# Allegro board Coral-Dev-Board-baseboard-layout-Allegro.brd
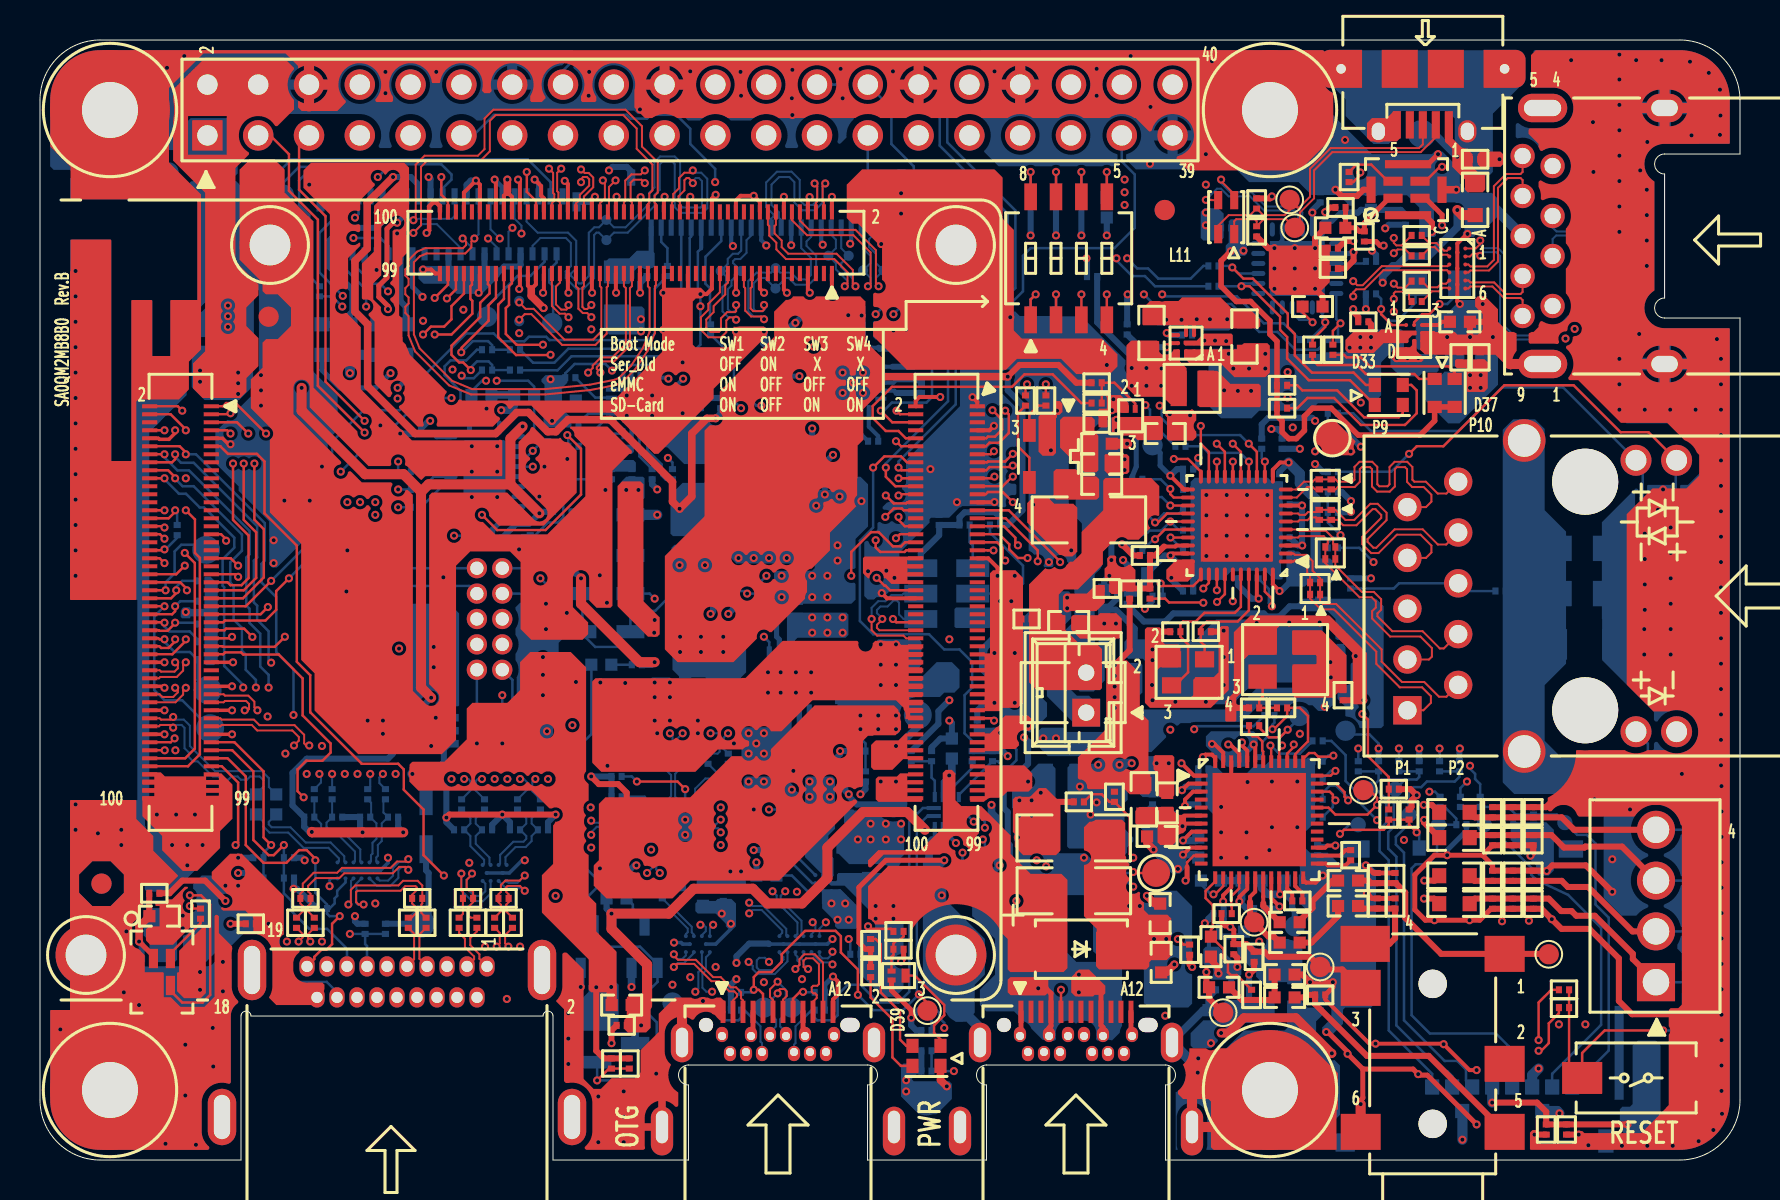
[diagram p0: board, top side]
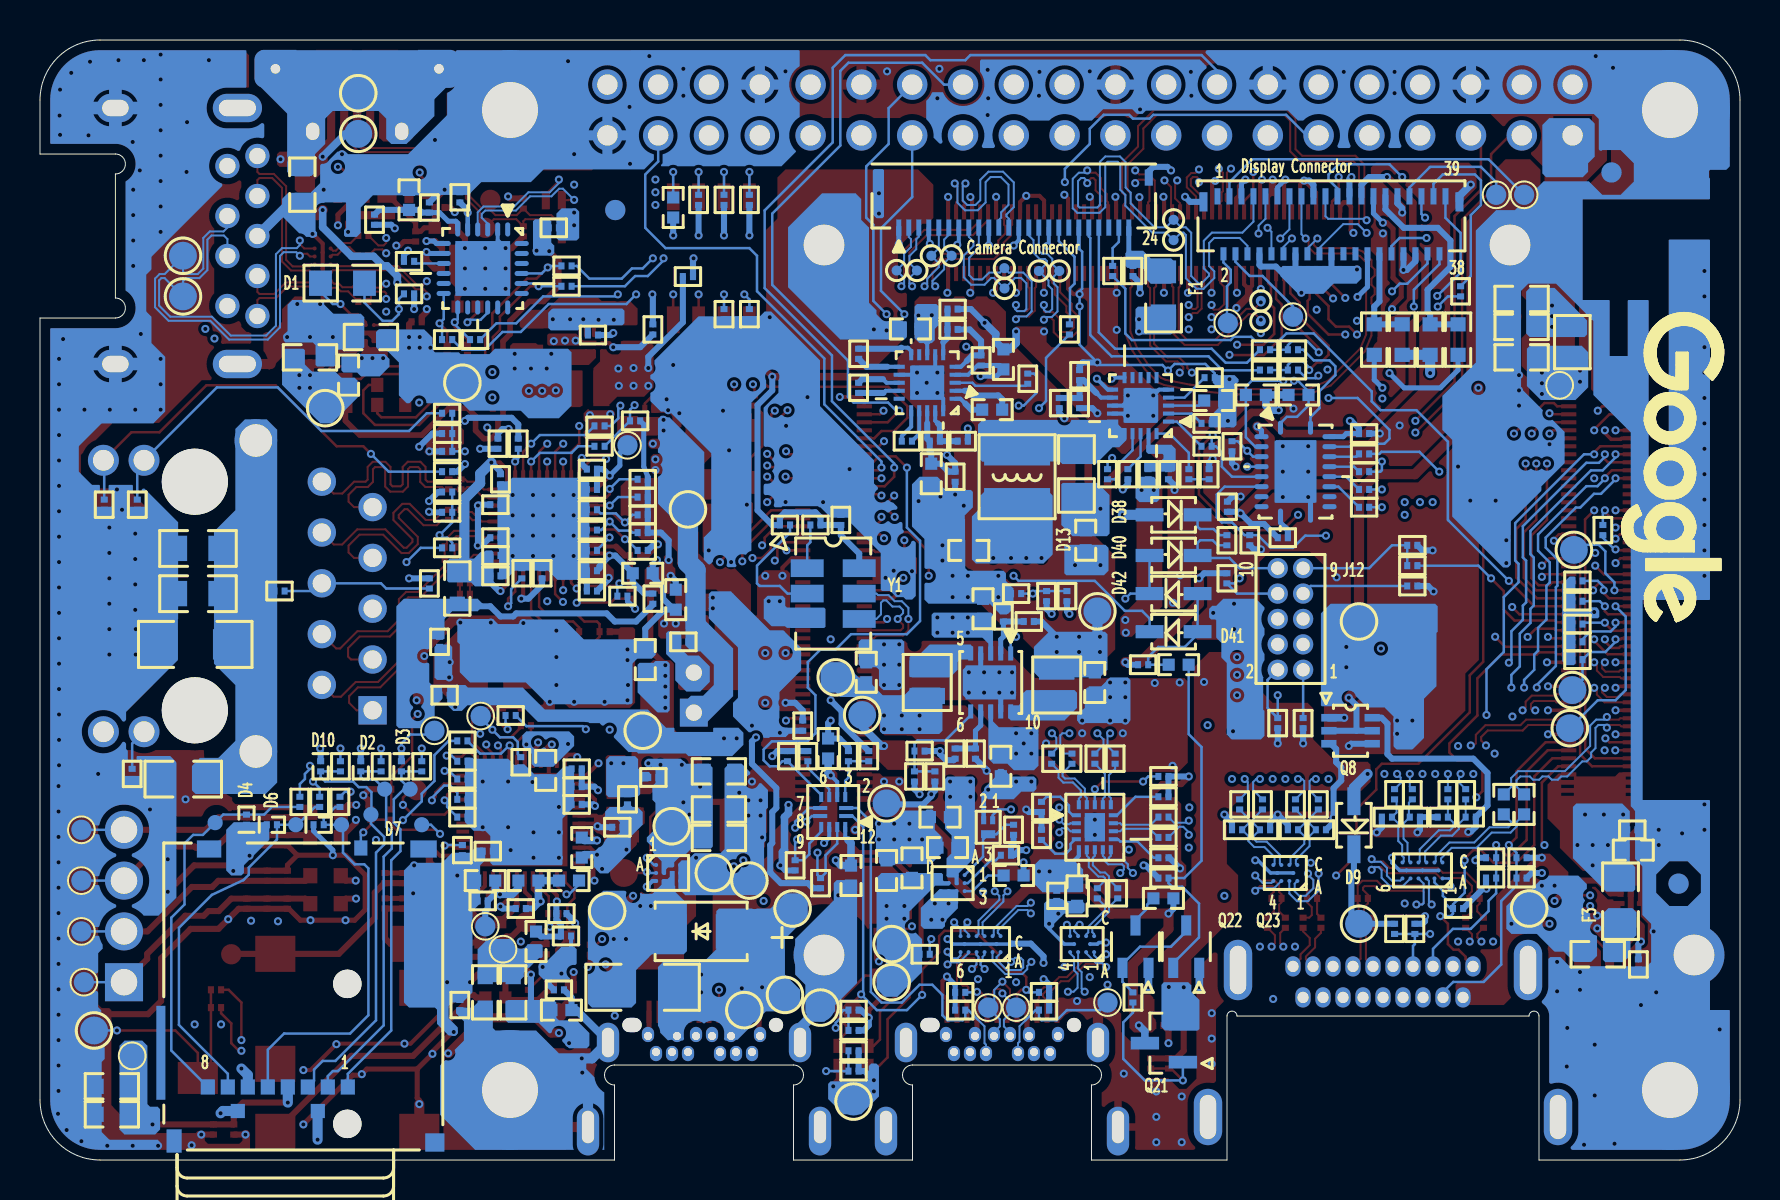
[diagram p1: board, bottom side, seen from below]

Outline 85 x 56 mm; copper layers: TOP, L02_GND1, L03_SIG1, L04_GND2, L05_PWR1, L06_SIG2, L07_GND3, BOTTOM. Coordinates in mm from the lower left corner of the outline.
Outline path: 0,53 arc(0.88,55.12) 3,56 82,56 arc(84.12,55.12) 85,53 85,50.3 81.23,50.3 arc(80.73,49.8) 81.23,49.3 81.23,43.1 arc(80.73,42.6) 81.23,42.1 85,42.1 85,3 arc(84.12,0.88) 82,0 56.27,0 56.27,3.75 arc(56.78,4.25) 56.27,4.75 47.33,4.75 arc(46.83,4.25) 47.33,3.75 47.33,0 41.38,0 41.38,3.75 arc(41.88,4.25) 41.38,4.75 32.43,4.75 arc(31.93,4.25) 32.43,3.75 32.43,0 25.65,0 25.65,7.2 arc(25.4,7.45) 25.15,7.2 10.55,7.2 arc(10.3,7.45) 10.05,7.2 10.05,0 3,0 arc(0.88,0.88) 0,3 0,53

## Design rules (mm)
net group DIFFPAIR0: nets HDMI_CLK_N HDMI_CLK_P
net group DIFFPAIR2: nets MIPI_CSI1_D0_N MIPI_CSI1_D0_P
net group DIFFPAIR3: nets MIPI_CSI1_D2_N MIPI_CSI1_D2_P
net group DIFFPAIR4: nets MIPI_DSI_D3_N MIPI_DSI_D3_P
net group DIFFPAIR5: nets MIPI_DSI_D2_N MIPI_DSI_D2_P
net group DIFFPAIR6: nets MIPI_CSI1_CLK_N MIPI_CSI1_CLK_P
net group ETH_TRX0_: nets ETH_TRX0_N ETH_TRX0_P
net group ETH_TRX1_: nets ETH_TRX1_N ETH_TRX1_P
net group ETH_TRX2_: nets ETH_TRX2_N ETH_TRX2_P
net group ETH_TRX3_: nets ETH_TRX3_N ETH_TRX3_P
net group HDMI_AUX_: nets HDMI_AUX_N HDMI_AUX_P
net group HDMI_AUX_C_: nets HDMI_AUX_C_N HDMI_AUX_C_P
net group HDMI_CLK_C_: nets HDMI_CLK_C_N HDMI_CLK_C_P
net group HDMI_CLK_CN_: nets HDMI_CLK_CN_N HDMI_CLK_CN_P
net group HDMI_REFCLK_: nets HDMI_REFCLK_N HDMI_REFCLK_P
net group HDMI_TX0_: nets HDMI_TX0_N HDMI_TX0_P
net group HDMI_TX0_C_: nets HDMI_TX0_C_N HDMI_TX0_C_P
net group HDMI_TX0_CN_: nets HDMI_TX0_CN_N HDMI_TX0_CN_P
net group HDMI_TX1_: nets HDMI_TX1_N HDMI_TX1_P
net group HDMI_TX1_C_: nets HDMI_TX1_C_N HDMI_TX1_C_P
net group HDMI_TX1_CN_: nets HDMI_TX1_CN_N HDMI_TX1_CN_P
net group HDMI_TX2_: nets HDMI_TX2_N HDMI_TX2_P
net group HDMI_TX2_C_: nets HDMI_TX2_C_N HDMI_TX2_C_P
net group HDMI_TX2_CN_: nets HDMI_TX2_CN_N HDMI_TX2_CN_P
net group MIPI_CSI1_D1_: nets MIPI_CSI1_D1_N MIPI_CSI1_D1_P
net group MIPI_CSI1_D3_: nets MIPI_CSI1_D3_N MIPI_CSI1_D3_P
net group MIPI_DSI_CLK: nets MIPI_DSI_CLK_N MIPI_DSI_CLK_P
net group MIPI_DSI_D0_: nets MIPI_DSI_D0_N MIPI_DSI_D0_P
net group MIPI_DSI_D1_: nets MIPI_DSI_D1_N MIPI_DSI_D1_P
net group SAI1_B2B: nets SAI1_TXC SAI1_TXFS
net group SD_CD_DAT3: nets SD_CD_DAT3 SD_CD_DAT3_R
net group SD_CLK: nets SD_CLK SD_CLK_R
net group SD_CMD: nets SD_CMD SD_CMD_R
net group SD_DAT0: nets SD_DAT0 SD_DAT0_R
net group SD_DAT1: nets SD_DAT1 SD_DAT1_R
net group SD_DAT2: nets SD_DAT2 SD_DAT2_R
net group SSRX1_: nets SSRX1_N SSRX1_P
net group SSRX1_CM_: nets SSRX1_CM_N SSRX1_CM_P
net group SSRX2_: nets SSRX2_N SSRX2_P
net group SSRX2_CM_: nets SSRX2_CM_N SSRX2_CM_P
net group SSTX1_: nets SSTX1_N SSTX1_P
net group SSTX1_CM_: nets SSTX1_CM_N SSTX1_CM_P
net group SSTX1_CM_C_: nets SSTX1_CM_C_N SSTX1_CM_C_P
net group SSTX2_: nets SSTX2_N SSTX2_P
net group SSTX2_CM_: nets SSTX2_CM_N SSTX2_CM_P
net group SSTX2_CM_C_: nets SSTX2_CM_C_N SSTX2_CM_C_P
net group UART3: nets UART3_RXD UART3_TXD
net group USB1_D_: nets USB1_D_N USB1_D_P
net group USB1_RX_: nets USB1_RX_N USB1_RX_P
net group USB1_RX_DR_: nets USB1_RX_DR_N USB1_RX_DR_P
net group USB1_TX_: nets USB1_TX_N USB1_TX_P
net group USB1_TX_DR_: nets USB1_TX_DR_N USB1_TX_DR_P
net group USB2_D_: nets USB2_D_N USB2_D_P
net group USB2_RX_: nets USB2_RX_N USB2_RX_P
net group USB2_TX_: nets USB2_TX_N USB2_TX_P
net group USB_D_: nets USB_D_N USB_D_P
net group USB_HOST_RX_: nets USB_HOST_RX_N USB_HOST_RX_P
net group 20: nets ENET_AVDD33 NETC111_1 NVCC_ENET_2V5
net group GMII_RX: nets ENET_RD0 ENET_RD1 ENET_RD2 ENET_RD3 ENET_RX_CTL ENET_RXC
net group GMII_TX: nets ENET_TD0 ENET_TD1 ENET_TD2 ENET_TD3 ENET_TX_CTL ENET_TXC
net group HDMI: nets NETJ5_1 NETJ5_3 NETJ5_4 NETJ5_6 NETJ5_7 NETJ5_9 NETJ5_10 NETJ5_12
net group I2C: nets I2C2_SCL I2C2_SDA I2C3_SCL I2C3_SDA
net group JTAG_B2B: nets JTAG_NTRST JTAG_TCK JTAG_TDI JTAG_TDO JTAG_TMS
net group SPI: nets ECSPI2_SS1
net group USB2_3.0: nets USB_HOST_D_CM_N USB_HOST_D_CM_P USB_HOST_D_N USB_HOST_D_P USB_HOST_TX_CM_N USB_HOST_TX_CM_P USB_HOST_TX_N USB_HOST_TX_P
net group USB3_2.0: nets USB_DBG_D_CN_N USB_DBG_D_CN_P USB_DBG_D_N USB_DBG_D_P
nets with their own width: min track width 2.032; nets USB_VBUS_1
nets with their own width: min track width 3.048; nets BB_1V8 BOOST_5V DCDC_3V3 DCDC_5V DCDC_5V_FT USB_VBUS_2 USB_VIN VDD_3V3 VDDA_1V8 VSYS

## Placement (name value [footprint] x y rotation side)
B2  DTSM32N  [SW2-6_0X3_5-H5_2]  79.81 4.1 180 top
C1  22pF/6.3V  [0201]  63.88 17.14 0 bottom
C2  22pF/6.3V  [0201]  63.88 19.94 0 bottom
C3  22pF/6.3V  [0201]  63.88 18.03 180 bottom
C4  22pF/6.3V  [0201]  63.88 19.05 180 bottom
C5  0.1uF/10V  [0201]  5.08 9.78 270 bottom
C6  2.2uF/6.3V  [0201]  60.96 12.57 180 bottom
C7  0.1uF/10V  [0201]  32.13 13.34 270 bottom
C8  0.1uF/10V  [0201]  31.12 13.34 270 bottom
C9  2.2uF/6.3V  [0201]  63.88 15.49 270 bottom
C10  0.1uF/10V  [0201]  66.22 46.18 270 top
C11  0.1uF/10V  [0201]  58.17 18.67 0 bottom
C12  4.7uF/10V  [0402]  57.91 15.62 270 bottom
C13  0.1uF/10V  [0201]  33.4 20.07 270 bottom
C14  2.2uF/6.3V  [0201]  62.87 12.95 180 top
C15  2.2uF/6.3V  [0201]  65.53 15.24 270 top
C16  0.1uF/25V  [0402]  44.45 14.22 270 bottom
C17  0.1uF/25V  [0402]  45.59 20.57 90 bottom
C18  100pF/25V  [0201]  72.63 12.82 90 top
C19  100pF/25V  [0201]  74.66 14.21 270 top
C20  1nF/25V  [0201]  72.63 14.21 90 top
C21  22uF/10V  [0603]  68.45 41.15 0 bottom
C22  0.1uF/10V  [0201]  66.17 41.91 180 top
C23  4.7uF/10V  [0603]  71.5 40.13 180 bottom
C24  4.7uF/10V  [0402]  58.55 13.97 180 bottom
C25  0.1uF/25V  [0402]  59.72 19.48 270 bottom
C26  10uF/10V  [0603]  51.05 19.43 180 bottom
C27  0.1uF/10V  [0201]  58.93 12.32 180 bottom
C28  2.2uF/6.3V  [0201]  58.7 11.2 180 bottom
C29  1uF/6.3V  [0201]  44.07 40.31 90 bottom
C30  1nF/25V  [0201]  74.66 12.82 270 top
C31  4.7uF/10V  [0402]  58.93 7.49 180 bottom
C32  0.1uF/10V  [0603]  62.74 8.38 270 bottom
C33  22uF/10V  [0603]  51.05 16.1 180 bottom
C34  4.7uF/10V  [0402]  54.74 25.02 90 bottom
C35  0.1uF/10V  [0201]  62.87 12.95 0 bottom
C36  4.7uF/10V  [0402]  55.85 16.18 180 top
C37  0.1uF/10V  [0201]  56.13 16.64 180 bottom
C38  4.7uF/10V  [0402]  60.58 13.97 180 bottom
C39  4.7uF/10V  [0402]  62.74 13.97 0 bottom
C40  0.1uF/25V  [0402]  56.36 17.86 90 top
C41  2.2uF/6.3V  [0201]  58.17 17.78 0 bottom
C42  22uF/10V  [0603]  51.05 17.53 180 bottom
C43  0.1uF/10V  [0201]  54.33 19.13 0 bottom
C44  2.2uF/6.3V  [0201]  58.17 19.56 0 bottom
C45  10nF_DNP  [0201]  65.15 23.24 270 top
C46  0.1uF/25V  [0402]  56.01 12.32 90 top
C47  1uF/25V  [0402]  56.06 9.88 270 top
C48  47uF/25V  [1206]  51.69 16.1 180 top
C49  0.1uF/25V  [0402]  39.62 15.62 0 bottom
C50  10uF/10V  [0402]  40.01 17.14 0 bottom
C51  1uF/25V  [0402]  10.8 17.78 270 bottom
C52  10uF/10V  [0402]  5.33 15.49 180 bottom
C53  0.1uF/10V  [0201]  5.39 16.51 0 bottom
C54  1uF/25V  [0402]  11.81 17.78 270 bottom
C55  0.1uF/10V  [0201]  13.72 18.29 270 bottom
C56  0.1uF/10V  [0201]  14.61 18.29 270 bottom
C57  0.1uF/10V  [0201]  16.38 18.29 270 bottom
C58  0.1uF/10V  [0201]  17.27 18.29 270 bottom
C59  0.1uF/10V  [0201]  44.96 32 270 bottom
C60  0.1uF/10V  [0201]  21.08 17.78 270 bottom
C61  0.1uF/10V  [0201]  22.23 17.78 270 bottom
C62  0.1uF/10V  [0201]  23.88 17.78 270 bottom
C63  0.1uF/10V  [0201]  25.02 17.78 270 bottom
C64  10pF/25V  [0201]  60.71 22.61 180 top
C65  1uF/6.3V  [0201]  62.23 29.21 180 bottom
C66  0.1uF/10V  [0201]  61.98 34.04 270 bottom
C67  0.1uF/10V  [0201]  39.24 34.16 270 bottom
C68  0.1uF/10V  [0201]  55.25 30.23 180 top
C69  0.1uF/10V  [0201]  39.37 42.55 180 bottom
C70  10uF/10V  [0402]  54.86 29.34 180 bottom
C71  0.1uF/10V  [0201]  57.4 29.46 0 bottom
C72  4.7uF/10V  [0402]  53.21 28.02 270 bottom
C73  0.1uF/10V  [0201]  57.4 28.45 0 bottom
C74  22uF/10V  [0603]  81.41 2.29 0 bottom
C75  0.1uF/10V  [0201]  75.31 1.52 270 top
C76  0.1uF/10V  [0201]  57.4 33.53 0 bottom
C77  0.1uF/10V  [0201]  62.23 32.77 180 bottom
C78  0.1uF/10V  [0201]  59.89 29.34 90 bottom
C79  0.1uF/10V  [0201]  62.23 31.11 180 bottom
C80  22pF/6.3V  [0201]  58.29 26.42 0 top
C81  22pF/6.3V  [0201]  56.77 26.42 180 top
C82  1000pF/2KV  [1206]  77.24 25.78 180 bottom
C83  0.1uF/10V  [0201]  64.01 48.13 90 bottom
C84  22uF/10V  [0603]  10.92 41.66 0 bottom
C85  22uF/10V  [0603]  10.92 40.13 0 bottom
C86  1uF/6.3V  [0201]  64.64 45.59 180 top
C87  0.1uF/10V  [0201]  64.64 44.58 180 top
C88  4.7uF/10V  [0402]  66.55 48.01 90 bottom
C89  1uF/6.3V  [0201]  65.53 47.62 90 bottom
C90  10uF/10V  [0603]  60.22 41.17 90 top
C91  4.7uF/10V  [0402]  63.63 42.67 0 top
C92  0.1uF/10V  [0201]  28.58 4.83 270 top
C93  1uF/6.3V  [0201]  29.08 6.73 180 top
C94  0.1uF/10V  [0201]  28.83 14.1 0 bottom
C95  4.7uF/10V  [0603]  55.58 41.35 90 top
C96  1uF/6.3V  [0201]  44.07 38.61 90 bottom
C97  10uF/10V  [0402]  32.26 23.88 270 bottom
C98  10uF/10V  [0402]  37.85 27.56 90 bottom
C99  10uF/10V  [0402]  36.96 19.68 270 bottom
C100  10uF/10V  [0402]  43.69 24.38 90 bottom
C101  0.1uF/25V  [0402]  42.67 14.48 90 bottom
C102  10uF/10V  [0402]  41.4 14.61 90 bottom
C103  4.7uF/10V  [0402]  40.44 34.32 270 bottom
C104  4.7uF/10V  [0402]  41.48 41.55 0 bottom
C105  1uF/6.3V  [0201]  41.66 35.94 180 bottom
C106  4.7uF/10V  [0402]  36.83 40.03 90 bottom
C107  4.7uF/10V  [0402]  37.39 37.52 180 bottom
C108  4.7uF/10V  [0402]  38.56 30.48 0 bottom
C109  4.7uF/10V  [0402]  32.72 30.99 270 bottom
C110  0.1uF/10V  [0201]  46.86 21.72 90 bottom
C111  1uF/6.3V  [0201]  30.35 44.45 270 bottom
C112  47pF/25V  [0201]  33.02 37.85 270 bottom
C113  0.1uF/10V  [0201]  34.16 13.21 270 bottom
C114  4.7uF/10V  [0402]  33.15 13.21 270 bottom
C115  0.1uF/10V  [0201]  32.26 20.07 270 bottom
C116  0.1uF/10V  [0201]  31.24 20.07 270 bottom
C117  0.1uF/10V  [0201]  28.83 17.14 180 bottom
C118  0.1uF/10V  [0201]  28.83 16.13 180 bottom
C119  0.1uF/10V  [0201]  34.42 20.07 270 bottom
C120  0.1uF/10V  [0201]  70.99 40.13 90 top
C121  0.1uF/10V  [0201]  68.83 43.94 0 top
C122  0.1uF/10V  [0201]  68.83 42.93 0 top
C123  1nF/25V  [0201]  74.66 17.39 270 top
C124  1nF/25V  [0201]  74.66 15.99 90 top
C125  100pF/25V  [0201]  72.63 15.99 270 top
C126  100pF/25V  [0201]  72.63 17.39 90 top
C127  1uF/25V  [0402]  58.95 8.64 180 top
C128  0.1uF/10V  [0201]  28.58 34.29 90 bottom
C129  0.1uF/10V  [0201]  30.61 34.29 270 bottom
C130  22nF/6.3V  [0201]  26.54 34.29 270 bottom
C131  0.1uF/10V  [0201]  25.63 32.66 270 bottom
C132  0.1uF/10V  [0201]  18.8 36.32 0 bottom
C133  0.1uF/10V  [0201]  62.23 30.23 180 bottom
C134  0.01uF/25V  [0201]  65.53 28.83 270 bottom
C135  1nF/25V  [0201]  67.75 12.83 270 top
C136  1nF/25V  [0201]  67.75 14.1 270 top
C137  1nF/25V  [0201]  64.01 8.26 180 top
C138  22uF/10V  [0603]  81.41 3.68 0 bottom
C139  22uF/10V  [0603]  10.92 43.05 0 bottom
C140  4.7uF/10V  [0402]  58.55 10.67 270 top
C141  10uF/10V  [0402]  5.97 12.19 0 top
C142  10uF/10V  [0402]  64.77 46.61 180 top
C143  0.1uF/10V_DNP  [0201]  52.83 36.83 0 top
C144  10uF/10V_DNP  [0402]  53.09 35.81 0 top
C145  4.7uF_Tan_DNP  [1206]  52.45 32 180 top
C146  1nF/25V  [0201]  49.33 27.05 0 top
C147  68pF/25V  [0201]  73.03 28.45 180 bottom
C148  680PF 25V  [0201]  80.39 19.3 90 bottom
C149  680PF 25V  [0201]  80.14 32.77 90 bottom
C150  680PF 25V  [0201]  81.79 32.77 90 bottom
C151  1nF/25V  [0201]  52.83 25.91 0 bottom
D1  CUS10F30  [0805-DIODE]  69.88 43.84 0 bottom
D2  3.5pF/5V_DNP  [0201-DIODE]  68.96 19.68 270 bottom
D3  3.5pF/5V_DNP  [0201-DIODE]  66.93 19.68 270 bottom
D4  3.5pF/5V_DNP  [0201-DIODE]  74.68 17.02 90 bottom
D5  B330A-FDICT-ND_DNP  [SMA-DIODE]  52.07 10.54 0 top
D6  3.5pF/5V_DNP  [0201-DIODE]  73.41 16.76 180 bottom
D7  3.5pF/5V_DNP  [0201-DIODE]  71.07 16.76 180 bottom
D9  ZLLS400TA  [SOD323]  19.3 16.74 180 bottom
D10  3.5pF/5V_DNP  [0201-DIODE]  70.97 19.68 270 bottom
D12  B330A-FDICT-ND_DNP  [SMA-DIODE]  51.94 11.43 0 bottom
D13  CUS10F30  [0805-DIODE]  33.17 34.32 270 bottom
D33  598-8430-207CF  [LED_0606]  67.44 38.25 180 top
D37  598-8430-207CF  [LED_0606]  70.23 38.35 90 top
D38  ZLLS400TA  [SOD323]  28.32 32.26 90 bottom
D39  598-8410-207CF  [LED_0606]  44.32 5.21 0 top
D40  ZLLS400TA  [SOD323]  28.32 30.23 90 bottom
D41  ZLLS400TA  [SOD323]  28.32 26.42 270 bottom
D42  ZLLS400TA  [SOD323]  28.32 28.32 270 bottom
ESD1  3.5pF/5V  [0201]  34.8 8.38 0 bottom
ESD2  3.5pF/5V  [0201]  38.99 7.49 180 bottom
ESD3  3.5pF/5V  [0201]  38.99 8.38 180 bottom
ESD4  3.5pF/5V  [0201]  34.8 7.49 0 bottom
ESD5  3.5pF/5V  [0201]  72.01 40.13 270 top
ESD6  3.5pF/5V_DNP  [0201]  44.32 4.45 0 bottom
ESD7  3.5pF/5V  [0201]  10.54 11.81 0 top
ESD8  3.5pF/5V  [0201]  10.92 14.1 0 bottom
ESD9  3.5pF/5V  [0201]  66.86 12.83 270 top
ESD10  3.5pF/5V  [0201]  59.69 10.54 90 top
ESD11  3.5pF/5V  [0201]  66.86 14.1 270 top
ESD12  3.5pF/5V  [0201]  12.45 14.1 180 bottom
ESD13  3.5pF/5V  [0201]  16.26 11.56 270 bottom
ESD14  3.5pF/5V_DNP  [0201]  76.33 1.52 90 top
ESD15  3.5pF/5V_DNP  [0201]  60.83 46.43 90 top
ESD16  3.5pF/5V_DNP  [0201]  71.76 50.04 180 top
ESD17  3.5pF/5V_DNP  [0201]  44.32 7.49 0 bottom
ESD18  3.5pF/5V  [0201]  73.64 15.99 90 top
ESD19  3.5pF/5V  [0201]  73.64 17.39 270 top
ESD20  3.5pF/5V  [0201]  73.64 14.21 270 top
ESD21  3.5pF/5V  [0201]  73.64 12.82 90 top
ESD22  3.5pF/5V_DNP  [0201]  60.83 47.83 270 top
ESD23  3.5pF/5V_DNP  [0201]  68.45 17.27 270 top
F1  PTC_FUSE_0805_0p5A  [0805]  28.83 43.31 90 bottom
F3  PTC_FUSE_0805_0p5A  [0805]  5.97 12.95 270 bottom
FB1  1uH/220R/100MHz  [0603]  64.14 28.57 90 bottom
FB2  1uH/470R/100MHz  [0603]  61.34 8.38 90 bottom
FB3  1uH/470R/100MHz  [0603]  55.19 18.03 270 top
FB4  300R/100MHz  [0402]  65.41 12.7 0 top
FB5  1uH/470R/100MHz  [0603]  71.76 48.01 270 top
FB6  1uH/470R/100MHz  [0603]  71.88 48.77 270 bottom
FB7  1uH/220R/100MHz  [0603]  70.72 12.82 0 top
FB8  1uH/220R/100MHz  [0603]  70.72 14.21 0 top
FB9  1uH/220R/100MHz  [0603]  70.72 17.39 0 top
FB10  1uH/220R/100MHz  [0603]  70.72 16.12 0 top
FB11  300R/100MHz  [0402]  65.41 13.97 0 top
FB12  300R/100MHz  [0402]  62.23 8.13 0 top
J1  UCF3M-11N30-0P25  [USB12_0_5-UCF3M-11N30-0P25]  36.9 6.75 0 top
J2  UCF3M-11N30-0P25  [USB12_0_5-UCF3M-11N30-0P25]  51.8 6.75 0 top
J3  TAR24-9V1396  [USB9-3_0-TAR24-9V1396]  77.68 46.2 90 top
J4  CONN_2SJ2296-000111  [AUDIO-2SJ2296-000111]  69.63 5.31 270 top
J5  HMR2G-AK120C  [HDMI19-HMR2G-AK120C]  17.85 4.23 0 top
J6  50312-0024N-003  [SIP2-2MM-6X4_8MM-50312]  51.66 23.37 90 top
J8  SCHA4B0419  [CON9_SDCARD_8PIN_SCHA4B0419]  71.83 8.24 180 bottom
J9  Z-S4704A18220100  [SIP4-2_54-S4704A18220100]  80.8 12.7 90 top
J10  ZX62D-AB-5P8(30)  [USB5-0_65-ZX62D-AB-5P8-2]  69.14 53 180 top
J11  2TJ1610-005111F_DNP  [RJ45-LED-2TJ1610-005111F]  77.26 28.2 90 top
J12  230-9B-05GB08_DNP  [HD2X5-1_27MM-3_35MM]  22.48 27.05 90 bottom
J15  210-P92-20GBEG  [HTSW-120-41-G-D]  32.5 52.5 0 top
J1310  DF40HC(3.0)-100DS-0.4V(51)  [DF40HC-3_0-100DS-0_4V-51]  45.32 27.89 270 top
J1311  DF40HC(3.0)-100DS-0.4V(51)  [DF40HC-3_0-100DS-0_4V-51]  29.8 45.87 180 top
J1312  DF40HC(3.0)-100DS-0.4V(51)  [DF40HC-3_0-100DS-0_4V-51]  7.02 27.89 270 top
L1  DLP0NSN121HL2L_DNP  [PL4-DLP0NSN121HL2L]  64.26 33.78 180 top
L2  2.2uH  [INDC2016X12L]  34.16 23.75 270 bottom
L3  2.2uH  [INDC2016X12L]  40.64 23.88 270 bottom
L4  10uH  [AP3-00115]  36.14 34.16 90 bottom
L5  DLP0NSN121HL2L_DNP  [PL4-DLP0NSN121HL2L]  63.75 28.57 90 top
L6  DLP0NSN121HL2L_DNP  [PL4-DLP0NSN121HL2L]  64.52 30.35 90 top
L7  DLP0NSN121HL2L_DNP  [PL4-DLP0NSN121HL2L]  64.26 32.26 180 top
L8  2.2uH  [0805_PADS]  8.38 40.89 270 bottom
L9  1uH  [INDC2016X12L]  57.61 38.58 0 top
L11  DLW21HN900SQ2L  [IND4_CHOKE_0805]  59.31 47.14 270 top
NOREF  -  [unnamed]  3.07 13.82 0 top
NOREF#2  -  [unnamed]  11.43 42.16 0 top
NOREF#3  -  [unnamed]  56.24 47.5 0 top
NOREF#4  -  [unnamed]  56.24 47.5 180 bottom
NOREF#5  -  [unnamed]  6.43 49.38 180 bottom
NOREF#6  -  [unnamed]  3.07 13.82 180 bottom
OSC1  7X24500007_DNP  [4-SMD-OSC]  62.23 25.02 180 top
P1  50696-0240MV02  [FPC24-0_5-14_18X4_71MM]  36.31 46.62 0 bottom
P3  FH26W-39S-0.3SHW(60)  [FPC39-FH26W-39S-0_3SHW]  20.43 45.31 0 bottom
Q1  PMZ130UNE/S500  [DFN10106B]  54.53 37.21 90 top
Q3  PMZ370UNE  [DFN10106B]  37.59 16.64 90 bottom
Q8  PMGD280UN  [SOT-363_0P65_SMT]  19.47 21.46 180 bottom
Q19  PMZ370UNE  [DFN10106B]  42.93 9.22 180 top
Q21  DMG2305UX-7  [SOT-23]  28.81 5.84 0 bottom
Q22  RU1L002SNTL  [SOT323_3]  30.23 10.67 180 bottom
Q23  RU1L002SNTL  [SOT323_3]  27.69 10.67 180 bottom
R1  1K/1%  [0201]  40.77 10.29 0 bottom
R2  1K/1%  [0201]  43.56 20.19 90 bottom
R3  10K  [0201]  47.24 14.73 270 bottom
R4  10K  [0201]  46.61 20.19 90 bottom
R5  10K  [0201]  60.71 10.16 270 top
R6  4.7K  [0201]  28.83 19.18 0 bottom
R7  4.7K  [0201]  34.93 17.65 90 bottom
R8  4.7K  [0201]  34.93 16.26 270 bottom
R9  4.7K  [0201]  28.83 18.16 0 bottom
R10  4.7K  [0201]  28.83 15.11 0 bottom
R11  10K  [0201]  47.63 20.19 90 bottom
R12  10K  [0201]  51.94 17.91 180 top
R13  10K  [0201]  33.66 28.19 270 bottom
R14  0R_DNP  [0201]  53.72 18.16 270 top
R15  33R  [0402]  62.48 10.87 0 top
R16  33R  [0402]  62.48 11.89 0 top
R17  10K_DNP  [0201]  40.26 19.18 270 bottom
R18  0R_DNP  [0201]  59.33 12.32 180 top
R19  56k  [0402]  70.99 41.91 180 top
R20  0R_DNP  [0201]  63.88 20.95 0 bottom
R21  10K  [0201]  66.55 43.31 180 bottom
R22  1K_DNP  [0201]  44.58 20.19 270 bottom
R23  2.2K  [0201]  60.58 8.26 90 top
R24  0R  [0201]  64.01 7.75 90 bottom
R25  1K/1%  [0201]  52.6 44.17 0 bottom
R26  0R  [1206]  54.86 8.64 0 bottom
R27  10K  [0201]  36.7 15.24 180 bottom
R28  0R  [0201]  68.83 46.23 0 top
R29  0R  [0201]  68.83 45.21 0 top
R30  10K  [0201]  36.32 16.51 270 bottom
R31  56k  [0402]  36.32 14.22 0 bottom
R32  5.1K  [0201]  44.32 5.46 0 bottom
R33  5.1K  [0201]  44.32 6.48 0 bottom
R34  453K  [0201]  40.26 35.94 180 bottom
R35  100K  [0201]  38.86 35.94 180 bottom
R36  0R  [0201]  35.61 39.07 270 bottom
R37  110K  [0201]  37.95 39.98 90 bottom
R38  1.5K  [0201]  10.92 15.11 180 bottom
R39  1.5K  [0201]  12.45 15.11 0 bottom
R40  27K  [0201]  17.27 11.56 90 bottom
R41  604  [0201]  13.46 17.14 0 bottom
R42  604  [0201]  14.86 17.14 180 bottom
R43  604  [0201]  16.26 17.14 0 bottom
R44  604  [0201]  17.65 17.14 180 bottom
R45  100K  [0201]  47.75 31.75 0 bottom
R46  100K  [0201]  46.23 31.75 180 bottom
R47  1M  [0201]  14.1 12.57 0 bottom
R48  604  [0201]  20.96 16.51 0 bottom
R49  604  [0201]  22.35 16.51 180 bottom
R50  604  [0201]  23.75 16.51 0 bottom
R51  604  [0201]  25.15 16.51 180 bottom
R52  0R_DNP  [0201]  53.34 28.57 0 top
R53  0R  [0201]  57.4 34.54 180 bottom
R54  10K  [0201]  67.69 18.54 180 top
R55  0R  [0201]  69.98 19.68 270 bottom
R56  0R  [0201]  70 17.91 270 bottom
R57  0R  [0201]  71.02 17.91 270 bottom
R58  0R  [0201]  72.01 17.91 270 bottom
R59  0R  [0201]  65.91 19.68 270 bottom
R60  0R_DNP  [0201]  54.48 28.32 270 top
R61  4.7K  [0201]  55.88 28.19 180 bottom
R62  4.7K  [0201]  61.09 35.81 90 bottom
R63  1.5K  [0201]  55.5 28.32 90 top
R64  1.5K  [0201]  55.25 36.96 180 bottom
R65  0R  [0201]  62.1 35.81 270 bottom
R66  0R  [0201]  57.02 36.7 0 bottom
R67  0R  [0201]  57.02 35.69 0 bottom
R68  110  [0201]  21.4 13.08 180 top
R69  110  [0201]  23.18 13.08 180 top
R70  2.49K/1%  [0201]  60.91 29.34 270 bottom
R71  0R  [0201]  54.36 28.07 90 bottom
R72  0R_DNP  [0201]  59.31 46.61 0 bottom
R73  0R  [0201]  68.28 47.02 270 bottom
R74  4.7K_DNP  [0201]  64.64 36.32 180 bottom
R75  4.7K  [0201]  64.64 35.43 180 bottom
R76  470R  [0201]  64.64 30.61 0 bottom
R77  4.7K  [0201]  64.64 34.42 0 bottom
R78  4.7K  [0201]  64.64 32.38 180 bottom
R79  4.7K_DNP  [0201]  64.64 33.4 180 bottom
R80  470R  [0201]  64.64 37.34 0 bottom
R81  4.7K  [0201]  54.86 30.48 0 bottom
R82  4.7K  [0201]  57.4 30.48 180 bottom
R83  4.7K  [0201]  54.86 34.04 0 bottom
R84  0R_8  [0805]  77.11 30.58 180 bottom
R85  4.7K_DNP  [0201]  57.4 31.5 180 bottom
R86  4.7K_DNP  [0201]  57.4 32.51 180 bottom
R87  1K/1%  [0201]  62.1 37.59 180 top
R88  1K/1%  [0201]  62.1 38.73 180 top
R89  100K_DNP  [0201]  49.53 42.29 90 bottom
R90  10K  [0201]  49.53 48.01 270 bottom
R91  1K/1%  [0201]  52.07 48.01 90 bottom
R92  4.7K  [0201]  66.55 44.93 0 bottom
R93  0R_DNP  [0201]  60.96 19.89 90 bottom
R94  1K/1%  [0201]  58.67 44.7 0 bottom
R95  1K/1%  [0201]  58.67 43.69 0 bottom
R96  110  [0201]  18.86 13.08 180 top
R97  0R_DNP  [0201]  67.44 17.27 90 top
R98  10K  [0201]  57.35 41.25 0 bottom
R99  100K_DNP  [0201]  50.8 42.29 90 bottom
R100  10K  [0201]  50.8 48.01 90 bottom
R101  1K/1%  [0201]  63.25 41.02 0 bottom
R102  1K/1%  [0201]  64.64 41.02 0 bottom
R103  1K/1%  [0201]  63.63 40.51 90 top
R104  1K/1%  [0201]  64.64 40.51 90 top
R105  10K_DNP  [0201]  23.11 21.84 270 bottom
R106  10K_DNP  [0201]  25.65 29.08 90 bottom
R107  10K_DNP  [0201]  25.65 30.99 90 bottom
R108  110  [0201]  21.84 21.84 270 bottom
R109  0R_DNP  [0201]  16.38 28.7 180 bottom
R110  0R_DNP  [0201]  16.38 30.73 180 bottom
R111  0R_DNP  [0201]  16.38 29.72 180 bottom
R112  1K/1%  [0201]  41.53 10.79 270 top
R113  1K/1%  [0201]  41.53 9.4 90 top